# Altium PCB Archimajor.PcbDoc (part 10 of 12) (continued)
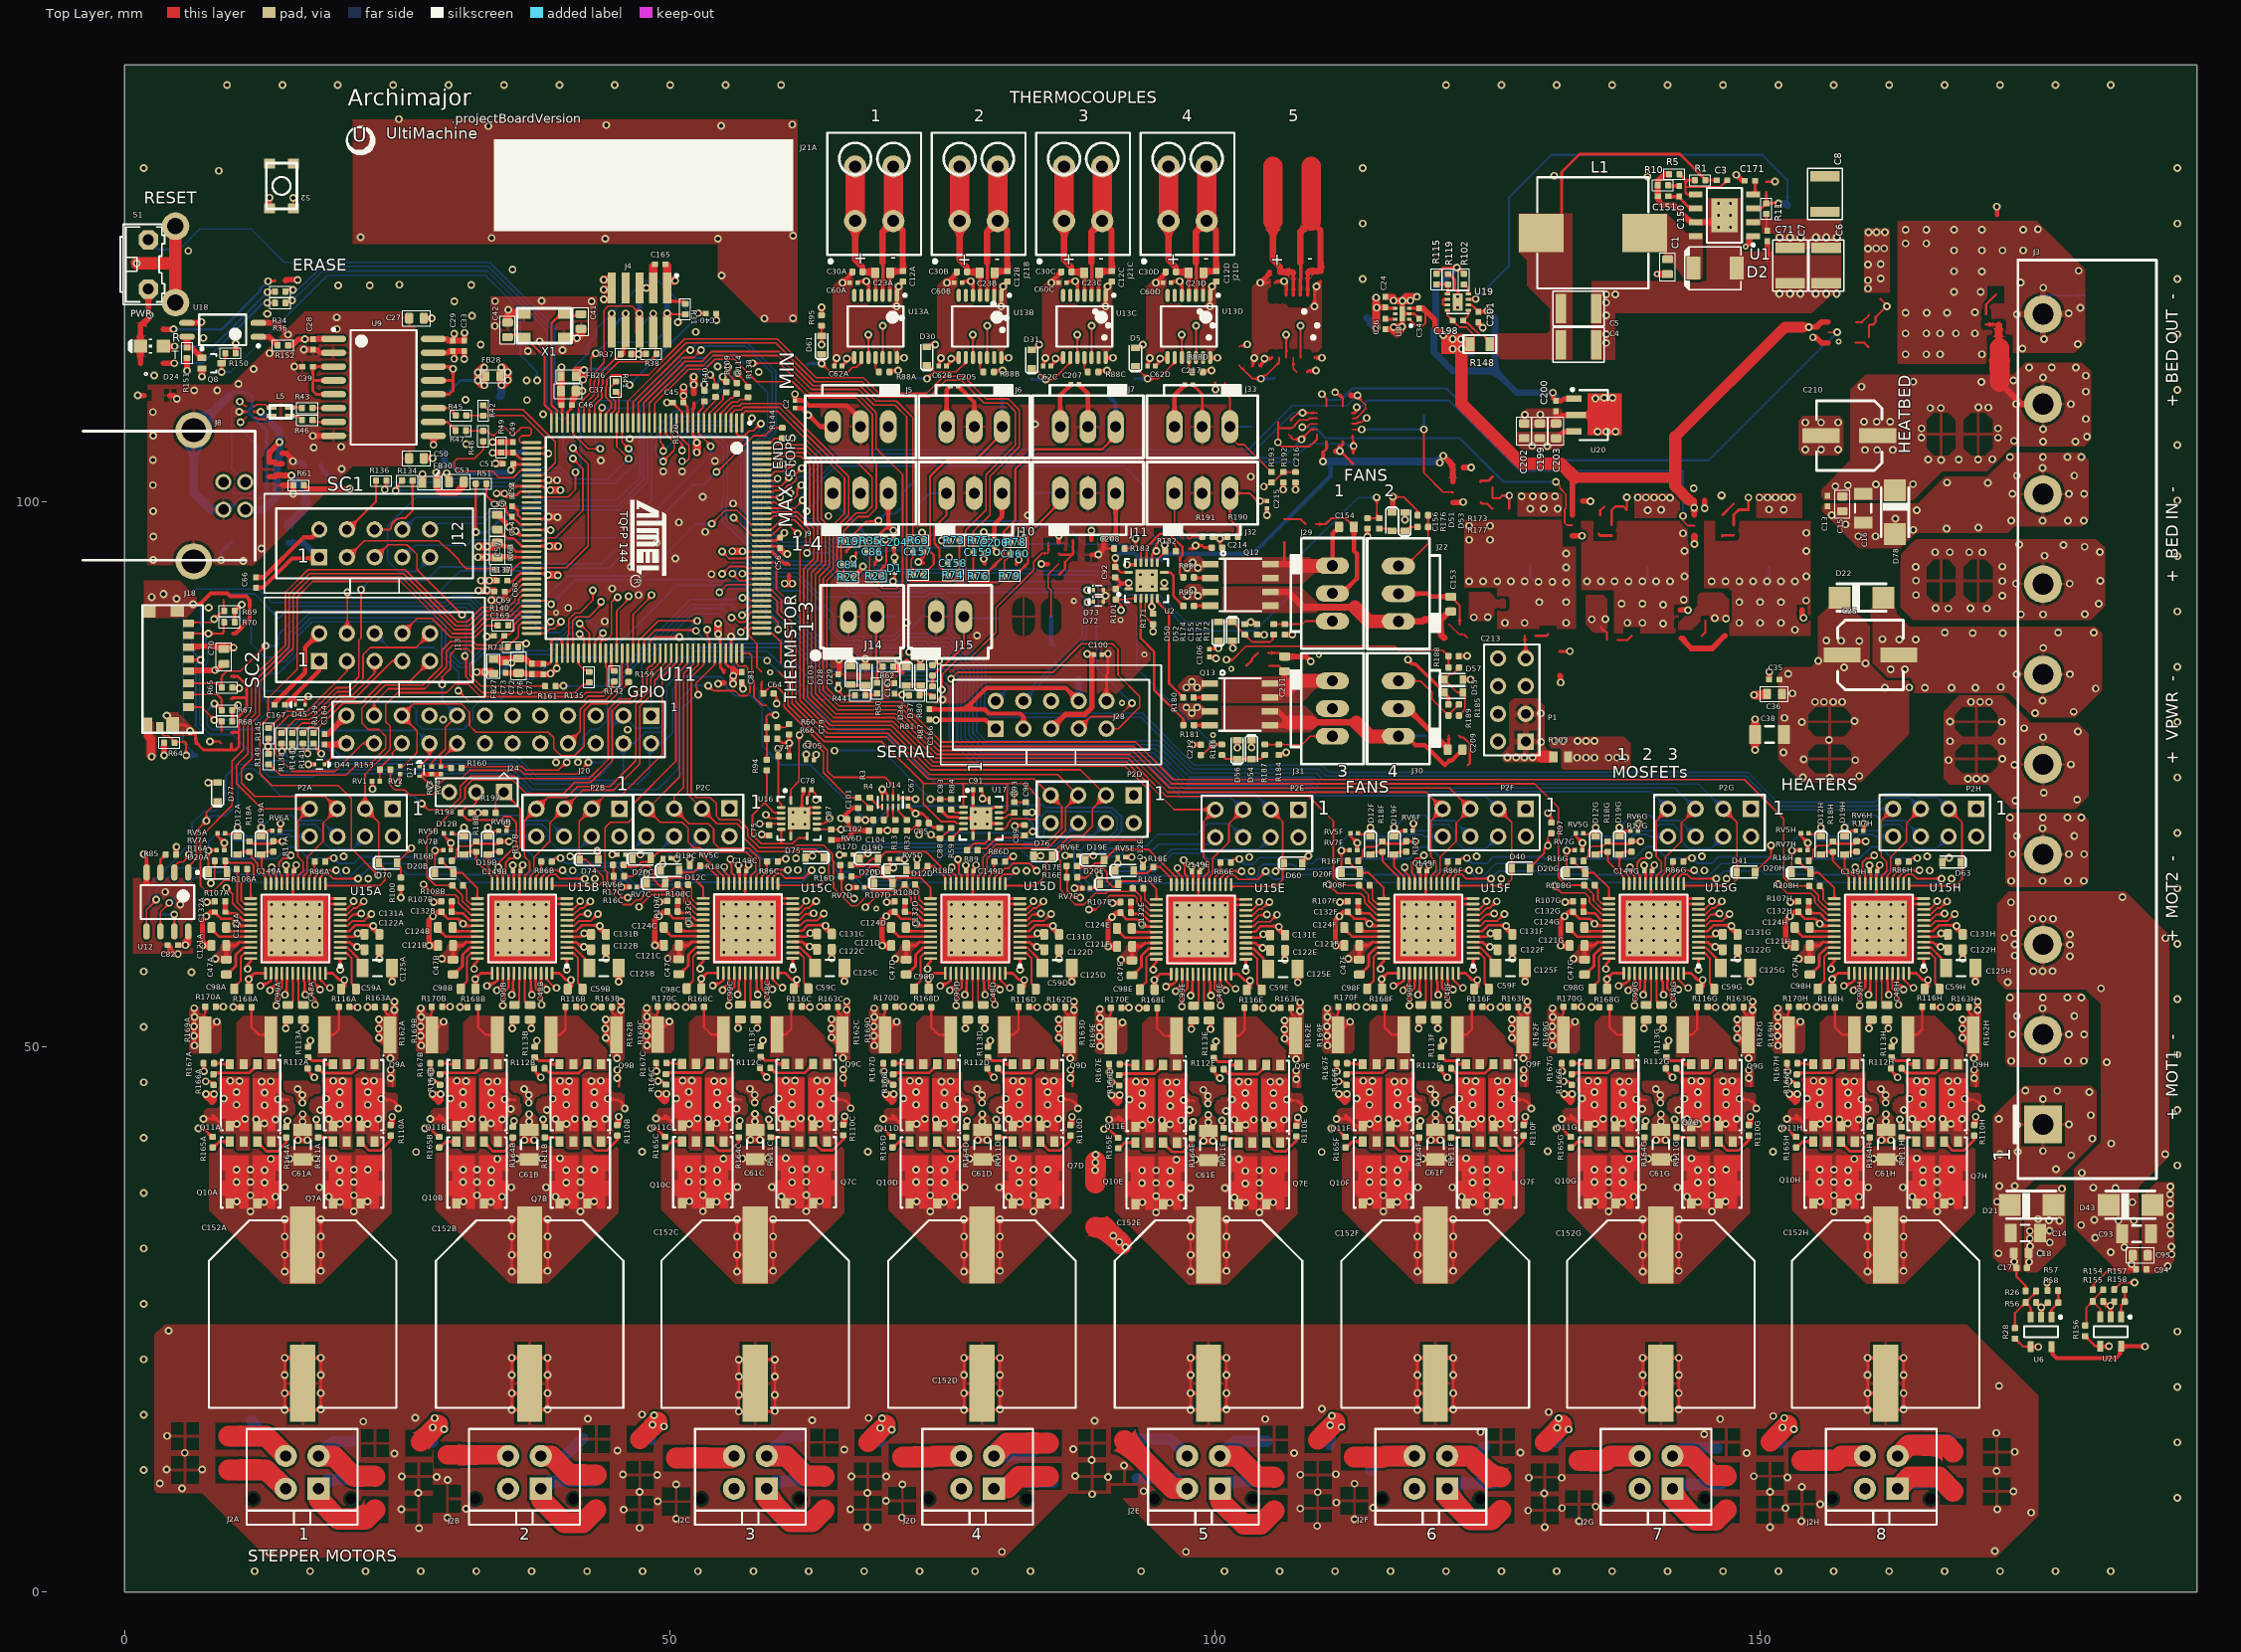
[diagram p0: Top Layer view]
## Nets (pads, with @x,y where several pads share a name; then routed paths per layer and width w, separated by ;. In a path a pad name is that pad's centre, name@x,y a point inside that pad or via, vN(x,y) a via of type N, cw(c..) or ccw(c..) an arc to the next point about the centre after c; other vN are vias at no path point) (continued)
VMOTE: C14.2 C17.1 C18.1 C47E.2 C47F.2 C47G.2 C47H.2 C61E.2 C61F.2 C61G.2 C61H.2 C121E.2 C121F.2 C121G.2 C121H.2 C122E.2 C122F.2 C122G.2 C122H.2 C152E.1 C152F.1 C152G.1 C152H.1 D21.K J3.1 Q7E.5 Q7E.7 Q7F.5 Q7F.7 Q7G.5 Q7G.7 Q7H.5 Q7H.7 Q10E.5 Q10E.7 Q10F.5 Q10F.7 Q10G.5 Q10G.7 Q10H.5 Q10H.7 R26.1 TP33.1 U15E.4 U15E.33 U15F.4 U15F.33 U15G.4 U15G.33 U15H.4 U15H.33 | length 133.1
  Top Layer w0.203: Q10E.5@92.685,35.55 92.87,35.734 v1(93.334,35.734) ; v1(94.584,34.809) v1@94.584,36.291 ; v1(94.584,36.309) v1@94.584,36.291 ; v1(96.459,39.637) 96.422,39.601 96.422,39.146 v1(95.884,38.608) 94.635,38.608 v1(94.584,38.659) 93.301,38.659 v1(93.297,38.655) v1(93.297,37.505) 94.579,37.505 v1(94.584,37.509) 95.832,37.509 v1(95.884,37.458) 97.31,37.458 v1(97.734,37.034) 97.734,37.025 v1(96.872,36.162) 96.322,36.162 v1(95.847,35.687) 95.363,35.687 Q10E.7@95.225,35.55 95.225,35.65 v1@94.584,36.291 ; v1(98.208,39.659) 99.289,39.659 C61E.2@99.365,39.583 99.466,39.684 v1(100.533,39.684) ; C152E.1@99.391,31.822 98.481,30.913 v1(97.741,30.913) ; Q7E.5@102.146,35.55 102.146,35.65 101.77,36.026 v1(101.77,36.162) 101.77,36.172 v1(100.908,37.034) 101.331,37.458 v1(102.758,37.458) 102.809,37.509 v1(104.058,37.509) 105.01,38.462 105.015,38.462 105.208,38.655 v1(105.345,38.655) 105.34,38.659 v1(104.058,38.659) 104.006,38.608 v1(102.758,38.608) 102.745,38.621 102.745,39.122 v1(102.183,39.684) ; C152F.1@120.18,31.822 119.27,30.913 v1(118.53,30.913) ; C152G.1@140.859,31.822 139.95,30.913 v1(139.21,30.913) ; C152H.1@161.472,31.822 160.562,30.913 v1(159.822,30.913) ; C17.1@173.468,29.72 173.468,28.927 174.305,28.09 174.305,27.61 R26.1@174.315,27.6 ; v1(97.741,30.913) v1(97.741,32.588) 97.741,34.163 99.44,34.163 v1(101.041,34.163) v1(101.04,32.588) v1(101.04,30.913) ; v1(97.741,30.913) v1(97.741,29.387) 97.949,29.387 99.49,29.387 v1@101.041,29.387 ; v1@101.041,29.387 v1(101.04,30.913) ; v1@101.041,29.387 v1(101.04,30.913) ; v1(118.53,30.913) v1(118.53,32.588) v1(118.529,34.163) 120.229,34.163 v1(121.83,34.163) 121.83,32.588 v1@121.83,30.913 ; v1(118.53,30.913) v1(118.53,29.387) 120.279,29.387 v1@121.83,29.387 ; v1@121.83,29.387 v1@121.83,30.913 ; v1@121.83,29.387 v1@121.83,30.913 ; v1(139.21,30.913) v1(139.21,32.588) v1(139.209,34.163) 140.909,34.163 v1(142.51,34.163) v1(142.509,32.588) v1(142.509,30.913) 142.51,29.387 140.959,29.387 v1(139.21,29.387) v1(139.21,30.913) ; v1(159.822,30.913) v1(159.822,29.387) 161.571,29.387 162.958,29.387 163.122,29.387 v1(163.121,30.913) v1(163.121,32.588) v1(163.122,34.163) 161.521,34.163 v1(159.821,34.163) v1(159.822,32.588) v1(159.822,30.913)
  Top Layer w0.229: 93.58,59.51 U15E.33@94.615,59.51 ; U15E.4@102.815,59.51 103.685,59.51 103.87,59.325 v1(104.37,59.075) ; 114.422,59.585 U15F.33@115.457,59.585 ; U15F.4@123.657,59.585 124.527,59.585 124.712,59.4 v1(125.212,59.15) ; 135.073,59.585 U15G.33@136.108,59.585 ; U15G.4@144.308,59.585 145.178,59.585 145.363,59.4 v1(145.863,59.15) ; 155.723,59.585 U15H.33@156.758,59.585 ; U15H.4@164.958,59.585 165.828,59.585 166.013,59.4 v1(166.513,59.15)
  Top Layer w0.305: C47E.2@92.37,57.905 92.375,57.91 C121E.2@92.375,59.2 93.27,59.2 93.58,59.51 ; C47F.2@113.212,57.98 113.217,57.985 C121F.2@113.217,59.275 114.112,59.275 114.422,59.585 ; C47G.2@133.863,57.98 133.868,57.985 C121G.2@133.868,59.275 134.763,59.275 135.073,59.585 ; C47H.2@154.513,57.98 154.518,57.985 C121H.2@154.518,59.275 155.413,59.275 155.723,59.585
  Top Layer w0.508: Q7E.5@102.146,35.55 Q7E.5@102.152,35.555 ; Q7E.5@102.152,35.529 Q7E.5@102.152,35.555 ; v1(102.795,35.687) 102.756,35.649 102.245,35.649 Q7E.5@102.152,35.555 ; v1(104.058,34.809) 104.097,34.848 104.097,34.96 104.465,35.329 104.565,35.329 104.686,35.45 Q7E.7@104.686,35.55 ; v1(104.058,36.309) 104.565,35.802 104.565,35.671 Q7E.7@104.686,35.55 ; v1(105.308,35.734) 105.269,35.696 104.807,35.696 104.686,35.575 Q7E.7@104.686,35.55 ; Q10F.5@113.527,35.625 Q10F.5@113.611,35.709 ; Q7F.5@122.989,35.625 122.994,35.631 Q7F.5@122.994,35.604 ; Q10G.5@134.178,35.625 Q10G.5@134.261,35.709 ; Q7G.5@143.639,35.625 143.644,35.631 Q7G.5@143.644,35.604 ; Q10H.5@154.828,35.625 Q10H.5@154.912,35.709 ; Q7H.5@164.289,35.625 164.295,35.631 Q7H.5@164.295,35.604
  other v1: 101.04,29.438 121.829,29.438 142.509,29.438 163.121,29.438 173.27,30.289 121.829,30.913 171.823,31.051 121.829,32.588 97.74,34.163 115.426,34.885 124.9,34.885 136.076,34.885 145.55,34.885 156.726,34.885 166.2,34.885 116.689,35.763 123.637,35.763 137.339,35.763 144.287,35.763 157.989,35.763 164.938,35.763 171.685,35.782 114.176,35.81 126.15,35.81 134.826,35.81 146.8,35.81 155.476,35.81 167.45,35.81 117.714,36.238 122.612,36.238 138.364,36.238 143.262,36.238 159.014,36.238 163.913,36.238 115.426,36.385 124.9,36.385 136.076,36.385 145.55,36.385 156.726,36.385 166.2,36.385 118.576,37.11 121.75,37.11 139.226,37.11 142.4,37.11 159.876,37.11 163.05,37.11 171.883,37.228 173.309,37.228 116.726,37.533 123.6,37.533 137.376,37.533 144.25,37.533 158.026,37.533 164.9,37.533 114.139,37.58 134.789,37.58 155.439,37.58 115.426,37.585 124.9,37.585 136.076,37.585 145.55,37.585 156.726,37.585 166.2,37.585 116.726,38.683 123.6,38.683 137.376,38.683 144.25,38.683 158.026,38.683 164.9,38.683 114.139,38.73 115.426,38.735 124.9,38.735 126.187,38.73 134.789,38.73 136.076,38.735 145.55,38.735 146.837,38.73 155.439,38.73 156.726,38.735 166.2,38.735 167.488,38.73 177.08,38.766 117.301,39.713 137.951,39.713 158.601,39.713 119.05,39.735 139.7,39.735 160.35,39.735 121.375,39.76 123.025,39.76 142.025,39.76 143.675,39.76 162.675,39.76 164.325,39.76 178.486,40.034 171.929,40.153 173.593,40.37 175.891,40.43 180.408,41.579 173.533,42.827 178.288,42.867 171.849,43.382 180.269,43.719 175.891,45.205 180.151,45.839 177.199,45.957 174.286,45.977 91.364,57.977 112.206,58.052 132.856,58.052 153.507,58.052
VPWR_IN: C6.2 C7.2 C25.1 C35.1 C36.1 C38.2 C71.2 C199.1 C202.1 C203.1 D22.K J3.5 P1.5 P1.7 R11.2 R103.1 TP46.1 TP48.1 U1.2 U6.5 U20.3 U21.5 | length 22.2
  Top Layer w0.203: 128.385,87.684 128.385,86.817 128.475,86.727 P1.7@128.475,85.6 ; R11.2@150.529,126.358 150.555,126.332 C71.2@150.555,124.831
  Top Layer w0.356: U6.5@176.676,22.505 176.773,22.408 176.773,21.818 177.153,21.438 182.561,21.438 182.958,21.835 182.958,22.424 U21.5@183.055,22.521 v1(185.256,22.521)
  Top Layer w0.406: C203.1@131.242,105.693 131.956,106.406 U20.3@132.892,106.406 ; C25.1@157.438,85.961 C25.1@157.481,85.918
  Mid1 w0.254: J3.5@176.911,75.883 ccw(c175.895,75.883) J3.5@176.911,75.883
  other v1: 156.336,74.665 153.88,74.705 159.051,74.824 158.694,76.27 153.959,76.349 133.193,76.509 133.993,76.509 134.768,76.509 136.068,76.509 136.843,76.509 137.618,76.509 152.117,76.983 131.118,78.034 131.893,78.034 133.218,78.034 133.993,78.034 134.768,78.034 156.277,78.112 153.801,79.777 158.615,79.856 152.196,80.153 154.996,81.612 155.821,81.612 156.671,81.612 157.496,81.612 152.929,82.392 161.408,82.907 163.627,82.927 152.533,84.195 157.664,84.789 159.625,85.146 155.286,85.363 159.051,87.206 157.406,87.226 156.039,87.246 134.518,89.184 146.843,89.259 145.818,89.284 123.718,89.359 130.457,105.067
  other v3: 129.06,105.092
  other v5: 151.754,124.198 152.704,124.198 153.679,124.198 155.079,124.198 156.029,124.198 157.004,124.198
VUSB: C28.1 R152.1 TP31.1 U9.1 | length 27.5
  Top Layer w0.254: v1(16.535,114.872) 16.543,114.865 C28.1@17.272,114.865
  Top Layer w0.508: 13.296,102.254 13.812,102.254 13.812,102.309 13.918,102.415 14.469,102.415 14.508,102.376 v3(15.309,102.376) ; R152.1@15.012,114.304 15.377,114.304 15.937,114.865 v1@16.543,114.865 ; C28.1@17.323,114.898 U9.1@19.174,114.898
  Mid1 w0.762: v3(15.309,102.376) 13.075,104.61 13.075,105.781 14.589,107.296 14.589,113.366 16.095,114.872 v1(16.535,114.872)
  Bottom Layer w0.711: 14.932,97.736 TP31.1@16.637,99.441 16.637,101.031 16.089,101.579 16.089,101.596 v3(15.309,102.376)
WP#: R85.1 U12.3 | length 1.9
  Top Layer w0.203: U12.3@3.302,65.971 3.302,67.146 R85.1@3.777,67.62 R85.1@3.777,67.582
XIN32: U11.48
XOUT32: U11.49
pads on no net: C8.1 C8.2 D21. D22. D43. D78. J2A. J2B. J2C. J2D. J2E. J2F. J2G. J2H. J5. J6. J7. J9. J10. J11. J14. J15. J22. J29. J30. J31. J32. J33. U19. X1.
copper on no net: | length 458.6
  Top Layer w0.152: v1(73.893,72.709) 73.918,72.684 74.793,72.684 74.799,72.69 75.8,72.69 ; 84.963,89.421 84.963,91.825 84.699,92.089 84.699,93.256 84.699,93.299 85.657,94.256 ; v1(107.985,106.795) 108.066,106.795 108.079,106.809 108.079,106.759 108.141,106.821 108.411,106.821 108.699,107.109 109.336,107.109 ; 112.586,106.609 113.286,106.609 113.361,106.533 113.361,106.609 v1@113.361,106.624 ; v1(119.129,106.595) 119.129,102.629 120.897,100.861 121.695,100.861 ; 121.463,88.709 121.463,88.703 121.685,88.481 121.691,88.481 122.375,87.797 122.813,87.797 123.124,87.486 ; 121.67,100.886 121.695,100.861 ; 121.795,100.761 121.695,100.861 ; 121.795,100.861 121.695,100.861 ; v1(131.243,101.784) 131.593,101.434 131.593,101.218 132.16,100.651 132.16,99.354 132.045,99.239 132.045,98.023 132.25,97.819 132.725,97.819 132.75,97.794 ; v1(142.893,98.659) 142.893,98.206 143.321,97.777 143.935,97.777 ; 156.188,115.493 v1@156.83,115.493
  Top Layer w0.166: 69.515,113.189 v1(69.515,116.109) ; 79.091,113.189 v1(79.091,116.109) ; 88.666,113.189 v1(88.666,116.109) ; 98.242,113.189 v1(98.242,116.109) ; 107.818,113.189 v1(107.818,116.109)
  Top Layer w0.178: v1@105.761,105.309 v1(105.761,105.409) ; 105.781,107.284 105.781,106.721 ; 109.336,106.109 109.336,105.709 108.636,105.009 106.1,105.009 105.781,105.329 105.781,106.721 ; 109.336,107.609 108.634,107.609 108.489,107.464 107.738,107.464 107.338,107.064 107.338,106.982 107.076,106.721 105.781,106.721 ; 112.586,107.109 112.957,107.109 113.069,107.221 113.145,107.221 113.167,107.243 113.427,107.243 113.857,107.674 v1(113.886,107.646) ; 158.75,116.43 159.296,116.43 159.956,117.091
  Top Layer w0.203: 24.562,46.363 24.587,46.388 v1@24.587,47.867 ; 45.337,46.363 45.362,46.388 v1@45.362,47.867 ; 66.045,46.387 66.07,46.412 v1@66.07,47.891 ; 85.662,93.256 86.241,93.835 86.241,94.415 86.932,95.106 ; 85.665,95.231 85.79,95.106 86.932,95.106 ; 86.887,46.363 86.912,46.388 v1@86.912,47.867 ; 86.957,96.456 86.957,95.131 86.932,95.106 ; 100.01,110.889 100.01,110.27 v1(100.025,110.255) ; 102.868,84.909 103.376,85.417 103.376,85.572 103.716,85.912 103.736,85.912 103.913,86.089 103.913,86.109 ; 106.343,98.359 107.838,98.359 108.091,98.106 108.111,98.106 108.288,97.929 108.288,97.909 ; 107.595,46.287 107.62,46.312 v1@107.62,47.791 ; v1(109.793,109.834) 110.211,109.416 110.211,108.734 ; 111.51,109.723 111.51,109.692 111.711,109.491 111.711,108.734 ; 112.586,108.109 112.825,108.109 112.918,108.202 112.918,108.421 112.979,108.482 v1(112.979,108.619) ; 122.368,78.509 122.517,78.36 122.762,78.36 123.348,77.774 123.348,75.989 123.168,75.809 ; v1@122.72,99.911 v1(122.745,99.936) ; v1@123.42,103.111 v1(123.47,103.111) ; 124.345,99.911 124.475,99.781 124.956,99.781 125.22,99.517 125.22,99.497 125.397,99.32 125.417,99.32 ; 125.417,101.292 125.417,100.282 126.079,100.282 126.326,100.53 v3(126.965,100.53) 126.965,99.336 ; 128.437,46.363 128.462,46.388 v1@128.462,47.867 ; 129.348,87.684 130.393,87.684 130.518,87.809 ; 132.742,96.844 132.75,96.844 ; 135.143,97.041 135.32,96.864 ; 135.3,98.744 135.3,99.159 135.656,99.516 ; 135.363,88.509 135.363,88.404 135.628,88.14 135.733,88.14 135.91,87.962 135.91,87.284 ; 136.35,97.826 136.35,99.179 136.693,99.523 137.434,99.523 137.722,99.234 ; 136.873,87.284 137.799,87.284 138.2,87.685 ; 137.722,99.209 137.722,99.234 ; v3(137.728,100.369) 137.728,99.24 137.722,99.234 ; 143.922,96.84 143.935,96.827 ; v1@143.935,96.055 143.94,96.05 v1(143.94,96.101) ; 144.618,87.685 144.935,88.002 144.935,89.034 ; v1(144.879,99.378) 144.879,99.413 v1@144.872,99.421 ; 146.485,98.727 146.497,98.727 147.526,99.756 ; 146.546,96.888 147.529,96.888 147.551,96.866 ; 149.087,46.363 149.112,46.388 v1@149.112,47.867 ; 150.529,129.324 150.529,129.301 151.32,129.301 v1(151.341,129.323) ; 158.738,114.543 159.512,114.543 159.905,114.149 ; 159.944,115.073 159.944,116.128 ; 159.956,116.128 160.032,116.204 160.305,116.204 160.566,116.465 160.566,116.907 161.619,117.961 161.027,118.554 ; 169.737,46.363 169.763,46.388 v1@169.763,47.867 ; 170.693,117.178 170.693,118.073 171.568,118.948 ; v1@144.872,99.421 144.854,99.403 144.854,99.327 144.872,99.345 v1@144.872,99.421
  Top Layer w0.254: v1(13.156,120.189) 13.738,120.189 13.803,120.254 ; v3(111.418,104.609) 111.465,104.609 112.465,103.609 112.465,103.607 112.617,103.454 112.643,103.454 ; 111.533,105.024 111.711,105.202 111.711,105.484 ; 124.345,101.811 124.436,101.902 125.064,101.902 125.239,102.077 125.239,102.102 125.392,102.255 125.417,102.255 ; 131.593,86.234 132.493,86.234 v1(132.518,86.259) ; 135.3,96.844 135.32,96.864 136.35,96.864 ; 146.485,96.827 146.546,96.888 ; 147.551,97.828 147.551,98.768 148.018,99.235 148.898,99.235 148.889,99.243 v3(148.889,100.344)
  Top Layer w0.305: v1(110.993,110.009) 111.106,110.009 111.51,109.606 111.51,109.692
  Top Layer w0.381: v4(6.299,90.564) 6.926,90.564 7.929,91.567 7.976,91.567 7.985,91.577 9.414,91.577 9.703,91.288 11.148,91.288 11.489,90.947 11.489,89.188 10.183,87.882 10,87.882
  Top Layer w0.406: v1@60.865,92.46 v1@60.868,92.458 ; v1@60.87,92.46 60.907,92.497 60.907,93.216 60.943,93.252 ; v1(84.057,94.256) 84.694,94.256 ; 85.665,96.231 85.665,96.839 v1(85.682,96.856) ; 88.657,96.456 v1(88.657,97.306) ; v1(171.654,127.024) 171.668,127.01 171.668,126.241
  Top Layer w0.508: v1(1.219,109.716) 1.77,109.716 ; 3.582,115.781 3.588,115.787 3.599,115.776 v1(4.512,115.776) ; 4.166,109.716 4.216,109.716 4.445,109.716 v1@4.775,109.386 ; 14.468,104.399 14.866,104.399 15.459,103.805 v3(15.459,103.676) ; 14.766,120.254 14.817,120.306 v1(15.878,120.306) ; 52.197,109.894 v1@52.197,110.605 ; v1(54.433,83.275) 54.351,83.275 54.428,83.351 54.966,83.351 ; 111.052,104.609 v3(111.418,104.609) v3@111.418,104.931 ; 121.795,99.911 v1@122.72,99.911 ; 122.745,103.111 v1@123.42,103.111 ; 131.619,84.017 131.669,83.966 v1(131.669,83.382) ; 132.75,96.844 v1(133.65,96.844) ; 133.7,100.019 v1(134.425,100.019) ; 142.624,90.034 v1(143.343,90.034) ; 142.743,87.429 142.873,87.429 142.989,87.313 142.989,87.183 143.663,86.509 145.559,86.509 146.735,87.685 ; v1@144.872,99.421 144.872,100.089 ; 153.825,90.03 153.825,89.319 v1(153.952,89.319) ; v1(154.808,115.031) 155.089,115.031 v1@155.103,115.017 ; v1@155.104,115.016 155.577,114.543 156.188,114.543
  Top Layer w0.559: 8.037,44.934 7.462,45.509 v1(7.462,45.654) 7.862,45.654 v1@8.037,45.479 ; 8.037,44.934 8.212,45.109 v1(8.212,45.654) v1@8.037,45.479 ; 8.037,44.934 v1@8.037,45.479 ; 28.812,44.934 28.237,45.509 v1(28.237,45.654) 28.637,45.654 v1@28.812,45.479 ; 28.812,44.934 28.987,45.109 v1(28.987,45.654) v1@28.812,45.479 ; 28.812,44.934 v1@28.812,45.479 ; 49.52,44.958 v1@49.52,45.503 ; 49.52,44.958 49.695,45.133 v1(49.695,45.678) v1@49.52,45.503 ; 49.52,44.958 48.945,45.533 v1(48.945,45.678) 49.345,45.678 v1@49.52,45.503 ; 70.362,44.934 69.787,45.509 v1(69.787,45.654) 70.187,45.654 v1@70.362,45.479 ; 70.362,44.934 70.537,45.109 v1(70.537,45.654) v1@70.362,45.479 ; 70.362,44.934 v1@70.362,45.479 ; 91.07,44.858 91.245,45.033 v1(91.245,45.578) v1@91.07,45.403 ; 91.07,44.858 v1@91.07,45.403 ; 91.07,44.858 90.495,45.433 v1(90.495,45.578) 90.895,45.578 v1@91.07,45.403 ; 111.912,44.934 111.337,45.509 v1(111.337,45.654) 111.737,45.654 v1@111.912,45.479 ; 111.912,44.934 112.087,45.109 v1(112.087,45.654) v1@111.912,45.479 ; 111.912,44.934 v1@111.912,45.479 ; 132.563,44.934 131.988,45.509 v1(131.988,45.654) 132.388,45.654 v1@132.563,45.479 ; 132.563,44.934 132.738,45.109 v1(132.738,45.654) v1@132.563,45.479 ; 132.563,44.934 v1@132.563,45.479 ; 153.213,44.934 152.638,45.509 v1(152.638,45.654) 153.038,45.654 v1@153.213,45.479 ; 153.213,44.934 153.388,45.109 v1(153.388,45.654) v1@153.213,45.479 ; 153.213,44.934 v1@153.213,45.479
  Top Layer w0.635: v1@143.935,96.055 143.935,96.827
  Top Layer w0.711: v1(60.518,92.46) v1@60.865,92.46 ; v1@60.868,92.458 60.87,92.46 v1(61.241,92.46)
  Top Layer w0.762: v1(52.186,111.437) 52.197,111.426 v1(52.197,110.707) v1@52.197,110.605
  Top Layer w1.905: 89.015,37.47 v1@89.035,39.446
  Mid1 w0.203: v3@137.722,100.393 v3@137.722,100.428
  Mid1 w0.257: v1(65.1,77.15) 66.759,78.809 74.518,78.809 79.518,83.809 96.518,83.809 117.707,104.998 117.707,109.842 116.828,110.72 111.439,116.109 v1(107.818,116.109) ; v1@69.515,116.134 79.091,116.134 88.666,116.134 98.242,116.134 v1@107.818,116.134
  Bottom Layer w0.152: v1@65.1,77.159 69.443,77.159 v1(73.893,72.709)
  Bottom Layer w0.203: v1(107.985,106.795) 109.157,106.795 110.143,105.809 122.4,105.809 126.425,101.784 130.193,101.784 v1(131.243,101.784) ; v1(109.793,109.834) 110.318,109.309 111.518,109.309 112.578,110.37 121.218,110.37 127.816,103.772 145.237,103.772 155.917,114.452 155.972,114.452 v1(157.022,115.502) ; v1(112.979,108.619) 113.328,108.619 113.943,109.234 121.464,109.234 127.914,102.784 142.893,102.784 v1(142.893,98.659) ; v1(113.436,106.595) v1(119.129,106.595) ; 139.627,94.017 139.627,92.99 140.008,92.609 ; 150.803,94.018 150.803,93.015 151.209,92.609
  Bottom Layer w0.254: v1(4.512,115.776) 4.533,115.755 8.906,115.755 12.433,119.282 12.433,119.472 13.151,120.189 v1(13.156,120.189) ; v1(119.129,106.595) 119.129,107.861 ; 128.87,94.119 128.87,93.129 129.289,92.71
  Bottom Layer w0.381: 84.963,89.421 84.963,86.995 85.217,86.741
  Bottom Layer w0.508: v3@15.459,103.526 16.318,103.526 16.513,103.331
  other v1: 88.995,38.673 89.015,39.386 89.055,40.099 99.333,44.781 16.3,44.857 37.075,44.857 78.625,44.857 120.175,44.857 140.825,44.857 161.475,44.857 57.783,44.881 99.333,45.484 16.3,45.56 37.075,45.56 78.625,45.56 120.175,45.56 140.825,45.56 161.475,45.56 57.783,45.584 98.908,46.039 15.875,46.114 36.65,46.114 78.2,46.114 119.75,46.114 140.4,46.114 161.05,46.114 57.358,46.139 107.445,47.035 24.412,47.11 45.187,47.11 86.737,47.11 128.287,47.11 148.937,47.11 169.588,47.11 65.895,47.135 107.445,47.791 24.412,47.867 45.187,47.867 86.737,47.867 128.287,47.867 148.937,47.867 169.588,47.867 65.895,47.891 173.375,72.565 179.021,72.664 175.97,73.298 169.016,74.562 169.804,74.562 170.561,74.566 173.276,75.834 178.447,75.874 167.253,76.27 172.158,76.387 167.372,78.013 172.133,78.012 175.911,78.37 179.1,78.905 174.167,79.202 172.133,79.787 167.392,79.816 169.283,81.612 170.133,81.612 170.958,81.612 153.14,88.227 141.075,88.789 126.579,88.862 128.375,88.862 132.185,88.862 137.799,88.862 139.17,88.862 148.06,88.862 149.965,88.862 151.87,88.862 135.793,89.209 124.993,89.384 173.87,89.643 175.911,89.643 179.734,89.663 167.213,90.178 170.74,90.178 166.064,90.198 169.254,90.198 141.075,90.538 181.022,90.614 137.265,90.621 139.17,90.621 129.705,90.767 132.185,90.767 148.06,90.767 149.965,90.767 151.87,90.767 154.181,90.919 142.954,90.97 172.166,91.347 164.261,91.406 173.414,92.456 178.348,92.456 132.185,92.57 129.645,92.621 130.915,92.621 123.295,92.672 124.565,92.672 125.855,92.672 127.105,92.672 128.375,92.672 134.09,92.672 135.36,92.672 136.63,92.672 137.9,92.672 139.17,92.672 140.44,92.672 141.71,92.672 145.52,92.672 146.79,92.672 148.06,92.672 149.33,92.672 150.6,92.672 151.87,92.672 153.14,92.672 172.166,92.698 181.141,92.714 164.261,92.734 143.03,93.129 154.206,93.129 132.185,93.942 164.241,93.982 172.166,94.021 176.03,95.012 132.185,95.212 166.005,95.329 167.361,95.329 169.139,95.329 170.332,95.329 181.101,95.349 143.03,95.44 154.206,95.441 179.715,95.844 177.773,96.003 173.712,96.042 123.295,96.482 125.2,96.482 142.893,97.066 154.206,97.117 123.295,97.752 125.2,97.752 139.652,99.2 140.897,99.225 152.123,99.225 150.777,99.251 128.883,99.327 130.127,99.327 131.395,99.316 4.801,109.411 167.911,115.391 161.011,120.446 161.011,121.767
  other v3: 161.59,117.895

## Polygon pours and split planes (outlines as drawn)
GND on Top Layer "Direct Connect" (solid, remove dead copper, pour order 2486): 17 vertices, not listed, extent 103.379,112.712 109.787,120.406
GND on Top Layer "24milConnect" (solid, remove dead copper, pour order 2692): 2.748,23.59 2.748,9.318 2.992,9.074 7.132,9.074 13.036,3.17 80.714,3.17 86.559,9.014 91.016,9.014 96.861,3.17 171.592,3.17 175.455,7.033 175.455,17.989 168.917,24.527 3.685,24.527
VBED_IN on Top Layer "DirectConnect" (solid, remove dead copper, pour order 2660): 18 vertices, not listed, extent 155.584,100.123 180.289,112.724
no net on Top Layer "NetF1_1 Fuse Top Pour" (solid, remove dead copper, pour order 2642): 162.855,93.645 162.855,90.257 163.984,89.128 180.309,89.128 181.577,90.396 181.577,95.725 180.765,96.537 164.241,96.537 162.874,95.17
no net on Top Layer "DirectConnect" (solid, remove dead copper, pour order 2634): 166.797,80.747 168.243,82.194 172.285,82.194 174.781,79.697 179.061,79.697 180.071,78.687 180.071,72.981 178.883,71.792 173.078,71.792 170.819,74.051 167.312,74.051 166.797,74.566
VPWR_IN on Top Layer "DirectConnect" (solid, remove dead copper, pour order 2630): 159.249,74.289 163.627,78.667 163.627,83.58 161.527,83.58 160.002,85.106 160.002,88.598 157.9,90.7 156.575,90.7 155.286,89.411 155.286,85.463 154.613,84.789 152.235,84.789 151.621,84.175 151.621,76.389 153.721,74.289
HTBD-OUT on Top Layer "Connect" (solid, remove dead copper, pour order 2610): 172.789,113.635 178.823,113.635 179.768,114.58 179.768,121.273 175.337,125.704 172.818,125.704
VPWR_IN on Top Layer "DirectConnect" (solid, remove dead copper, pour order 2608): 123.268,91.684 123.268,89.334 123.568,89.034 125.093,89.034 126.093,90.034 126.435,90.034 126.66,90.259 126.66,90.942 126.493,91.109 125.768,91.109 125.193,91.684
no net on Top Layer "DirectConnect" (solid, pour order 2601): 143.437,98.209 133.582,98.209 133.582,91.884 136.568,91.884 136.568,87.884 143.437,87.884 143.437,98.234
VPWR_IN on Top Layer "DirectConnect" (solid, remove dead copper, pour order 2600): 142.468,88.234 143.743,88.234 144.543,89.034 146.793,89.034 147.168,89.409 147.168,90.959 146.468,91.659 144.518,91.659 144.218,91.359 144.218,90.434 143.393,89.609 143.218,89.609 142.468,88.859
VPWR_IN on Top Layer "DirectConnect" (solid, remove dead copper, pour order 2599): 133.968,91.409 133.968,88.712 134.718,87.962 135.555,87.962 135.943,88.35 135.943,91.059 135.593,91.409
OBAA on Top Layer "Direct Connect" (solid, remove dead copper, pour order 2473): 17 vertices, not listed, extent 21.133,40.476 25.044,47.715
OBAH on Top Layer "Direct Connect" (solid, remove dead copper, pour order 2472): 17 vertices, not listed, extent 166.308,40.476 170.22,47.715
OBAG on Top Layer "Direct Connect" (solid, remove dead copper, pour order 2471): 17 vertices, not listed, extent 145.658,40.476 149.57,47.715
OBAF on Top Layer "Direct Connect" (solid, remove dead copper, pour order 2470): 17 vertices, not listed, extent 125.008,40.476 128.919,47.715
OBAC on Top Layer "Direct Connect" (solid, remove dead copper, pour order 2469): 17 vertices, not listed, extent 62.616,40.5 66.527,47.739
OBAE on Top Layer "Direct Connect" (solid, remove dead copper, pour order 2468): 17 vertices, not listed, extent 104.166,40.4 108.077,47.639
OBAD on Top Layer "Direct Connect" (solid, remove dead copper, pour order 2467): 17 vertices, not listed, extent 83.458,40.476 87.369,47.715
OBAB on Top Layer "Direct Connect" (solid, remove dead copper, pour order 2466): 17 vertices, not listed, extent 41.908,40.476 45.819,47.715
OBBA on Top Layer "Direct Connect" (solid, remove dead copper, pour order 2465): 20.917,47.254 20.917,40.577 19.863,40.577 17.869,42.571 17.869,43.27 17.844,43.295 16.934,44.205 16.934,45.662 17.082,45.81 17.895,45.81 18.123,46.038 18.123,47.257
OBBH on Top Layer "Direct Connect" (solid, remove dead copper, pour order 2464): 166.093,47.254 166.093,40.577 165.038,40.577 163.045,42.571 163.045,43.27 163.019,43.295 162.109,44.205 162.109,45.662 162.257,45.81 163.07,45.81 163.299,46.038 163.299,47.257
OBBG on Top Layer "Direct Connect" (solid, remove dead copper, pour order 2463): 145.443,47.254 145.443,40.577 144.388,40.577 142.395,42.571 142.395,43.27 142.369,43.295 141.459,44.205 141.459,45.662 141.607,45.81 142.42,45.81 142.649,46.038 142.649,47.257
OBBF on Top Layer "Direct Connect" (solid, remove dead copper, pour order 2462): 124.792,47.254 124.792,40.577 123.738,40.577 121.744,42.571 121.744,43.27 121.719,43.295 120.809,44.205 120.809,45.662 120.957,45.81 121.77,45.81 121.998,46.038 121.998,47.257
OBBC on Top Layer "Direct Connect" (solid, remove dead copper, pour order 2461): 62.4,47.278 62.4,40.602 61.346,40.602 59.352,42.595 59.352,43.294 59.327,43.319 58.417,44.229 58.417,45.686 58.565,45.834 59.378,45.834 59.606,46.063 59.606,47.282
OBBE on Top Layer "Direct Connect" (solid, remove dead copper, pour order 2460): 103.95,47.178 103.95,40.502 102.896,40.502 100.902,42.495 100.902,43.194 100.877,43.219 99.967,44.129 99.967,45.586 100.115,45.734 100.928,45.734 101.156,45.963 101.156,47.182
OBBD on Top Layer "Direct Connect" (solid, remove dead copper, pour order 2459): 83.242,47.254 83.242,40.577 82.188,40.577 80.194,42.571 80.194,43.27 80.169,43.295 79.259,44.205 79.259,45.662 79.407,45.81 80.22,45.81 80.448,46.038 80.448,47.257
OBBB on Top Layer "Direct Connect" (solid, remove dead copper, pour order 2458): 41.692,47.254 41.692,40.577 40.638,40.577 38.644,42.571 38.644,43.27 38.619,43.295 37.709,44.205 37.709,45.662 37.857,45.81 38.67,45.81 38.898,46.038 38.898,47.257
OAAA on Top Layer "Direct Connect" (solid, remove dead copper, pour order 2457): 11.659,47.687 11.659,41.923 13.005,40.577 14.199,40.577 14.707,41.085 14.707,43.27 14.732,43.295 15.286,43.295 15.642,43.651 15.642,45.662 15.494,45.81 14.681,45.81 14.453,46.038 14.453,47.691
OAAH on Top Layer "Direct Connect" (solid, remove dead copper, pour order 2456): 156.834,47.687 156.834,41.923 158.18,40.577 159.374,40.577 159.882,41.085 159.882,43.27 159.907,43.295 160.462,43.295 160.817,43.651 160.817,45.662 160.669,45.81 159.857,45.81 159.628,46.038 159.628,47.691
OAAG on Top Layer "Direct Connect" (solid, remove dead copper, pour order 2455): 136.184,47.687 136.184,41.923 137.53,40.577 138.724,40.577 139.232,41.085 139.232,43.27 139.257,43.295 139.812,43.295 140.167,43.651 140.167,45.662 140.019,45.81 139.206,45.81 138.978,46.038 138.978,47.691
OAAF on Top Layer "Direct Connect" (solid, remove dead copper, pour order 2454): 115.534,47.687 115.534,41.923 116.88,40.577 118.074,40.577 118.582,41.085 118.582,43.27 118.607,43.295 119.161,43.295 119.517,43.651 119.517,45.662 119.369,45.81 118.556,45.81 118.328,46.038 118.328,47.691
OAAC on Top Layer "Direct Connect" (solid, remove dead copper, pour order 2453): 53.141,47.712 53.141,41.948 54.488,40.602 55.681,40.602 56.189,41.11 56.189,43.294 56.215,43.319 56.769,43.319 57.125,43.675 57.125,45.686 56.977,45.834 56.164,45.834 55.935,46.063 55.935,47.716
OAAE on Top Layer "Direct Connect" (solid, remove dead copper, pour order 2452): 94.691,47.612 94.691,41.848 96.038,40.502 97.231,40.502 97.739,41.01 97.739,43.194 97.765,43.219 98.319,43.219 98.675,43.575 98.675,45.586 98.527,45.734 97.714,45.734 97.485,45.963 97.485,47.616
OAAD on Top Layer "Direct Connect" (solid, remove dead copper, pour order 2451): 73.984,47.687 73.984,41.923 75.33,40.577 76.524,40.577 77.032,41.085 77.032,43.27 77.057,43.295 77.611,43.295 77.967,43.651 77.967,45.662 77.819,45.81 77.006,45.81 76.778,46.038 76.778,47.691